# Altium PCB 1-quilter-input.PcbDoc (part 1 of 4)
Units mil, origin at the board's own origin, x right, y up, seen from the top; angles counter-clockwise.
Board outline 4130.55 x 4250 mil, 8 copper layers (TOP, L2_GND1, L3_IN1, L4_POWER_1, L5_POWER_2, L6_IN2, L7_GND2, BOTTOM), stack 61.99 mil thick; 591 components, 494 nets, 2245 pads, 0 vias.
Unrouted connection lines stored in the file: 1698.
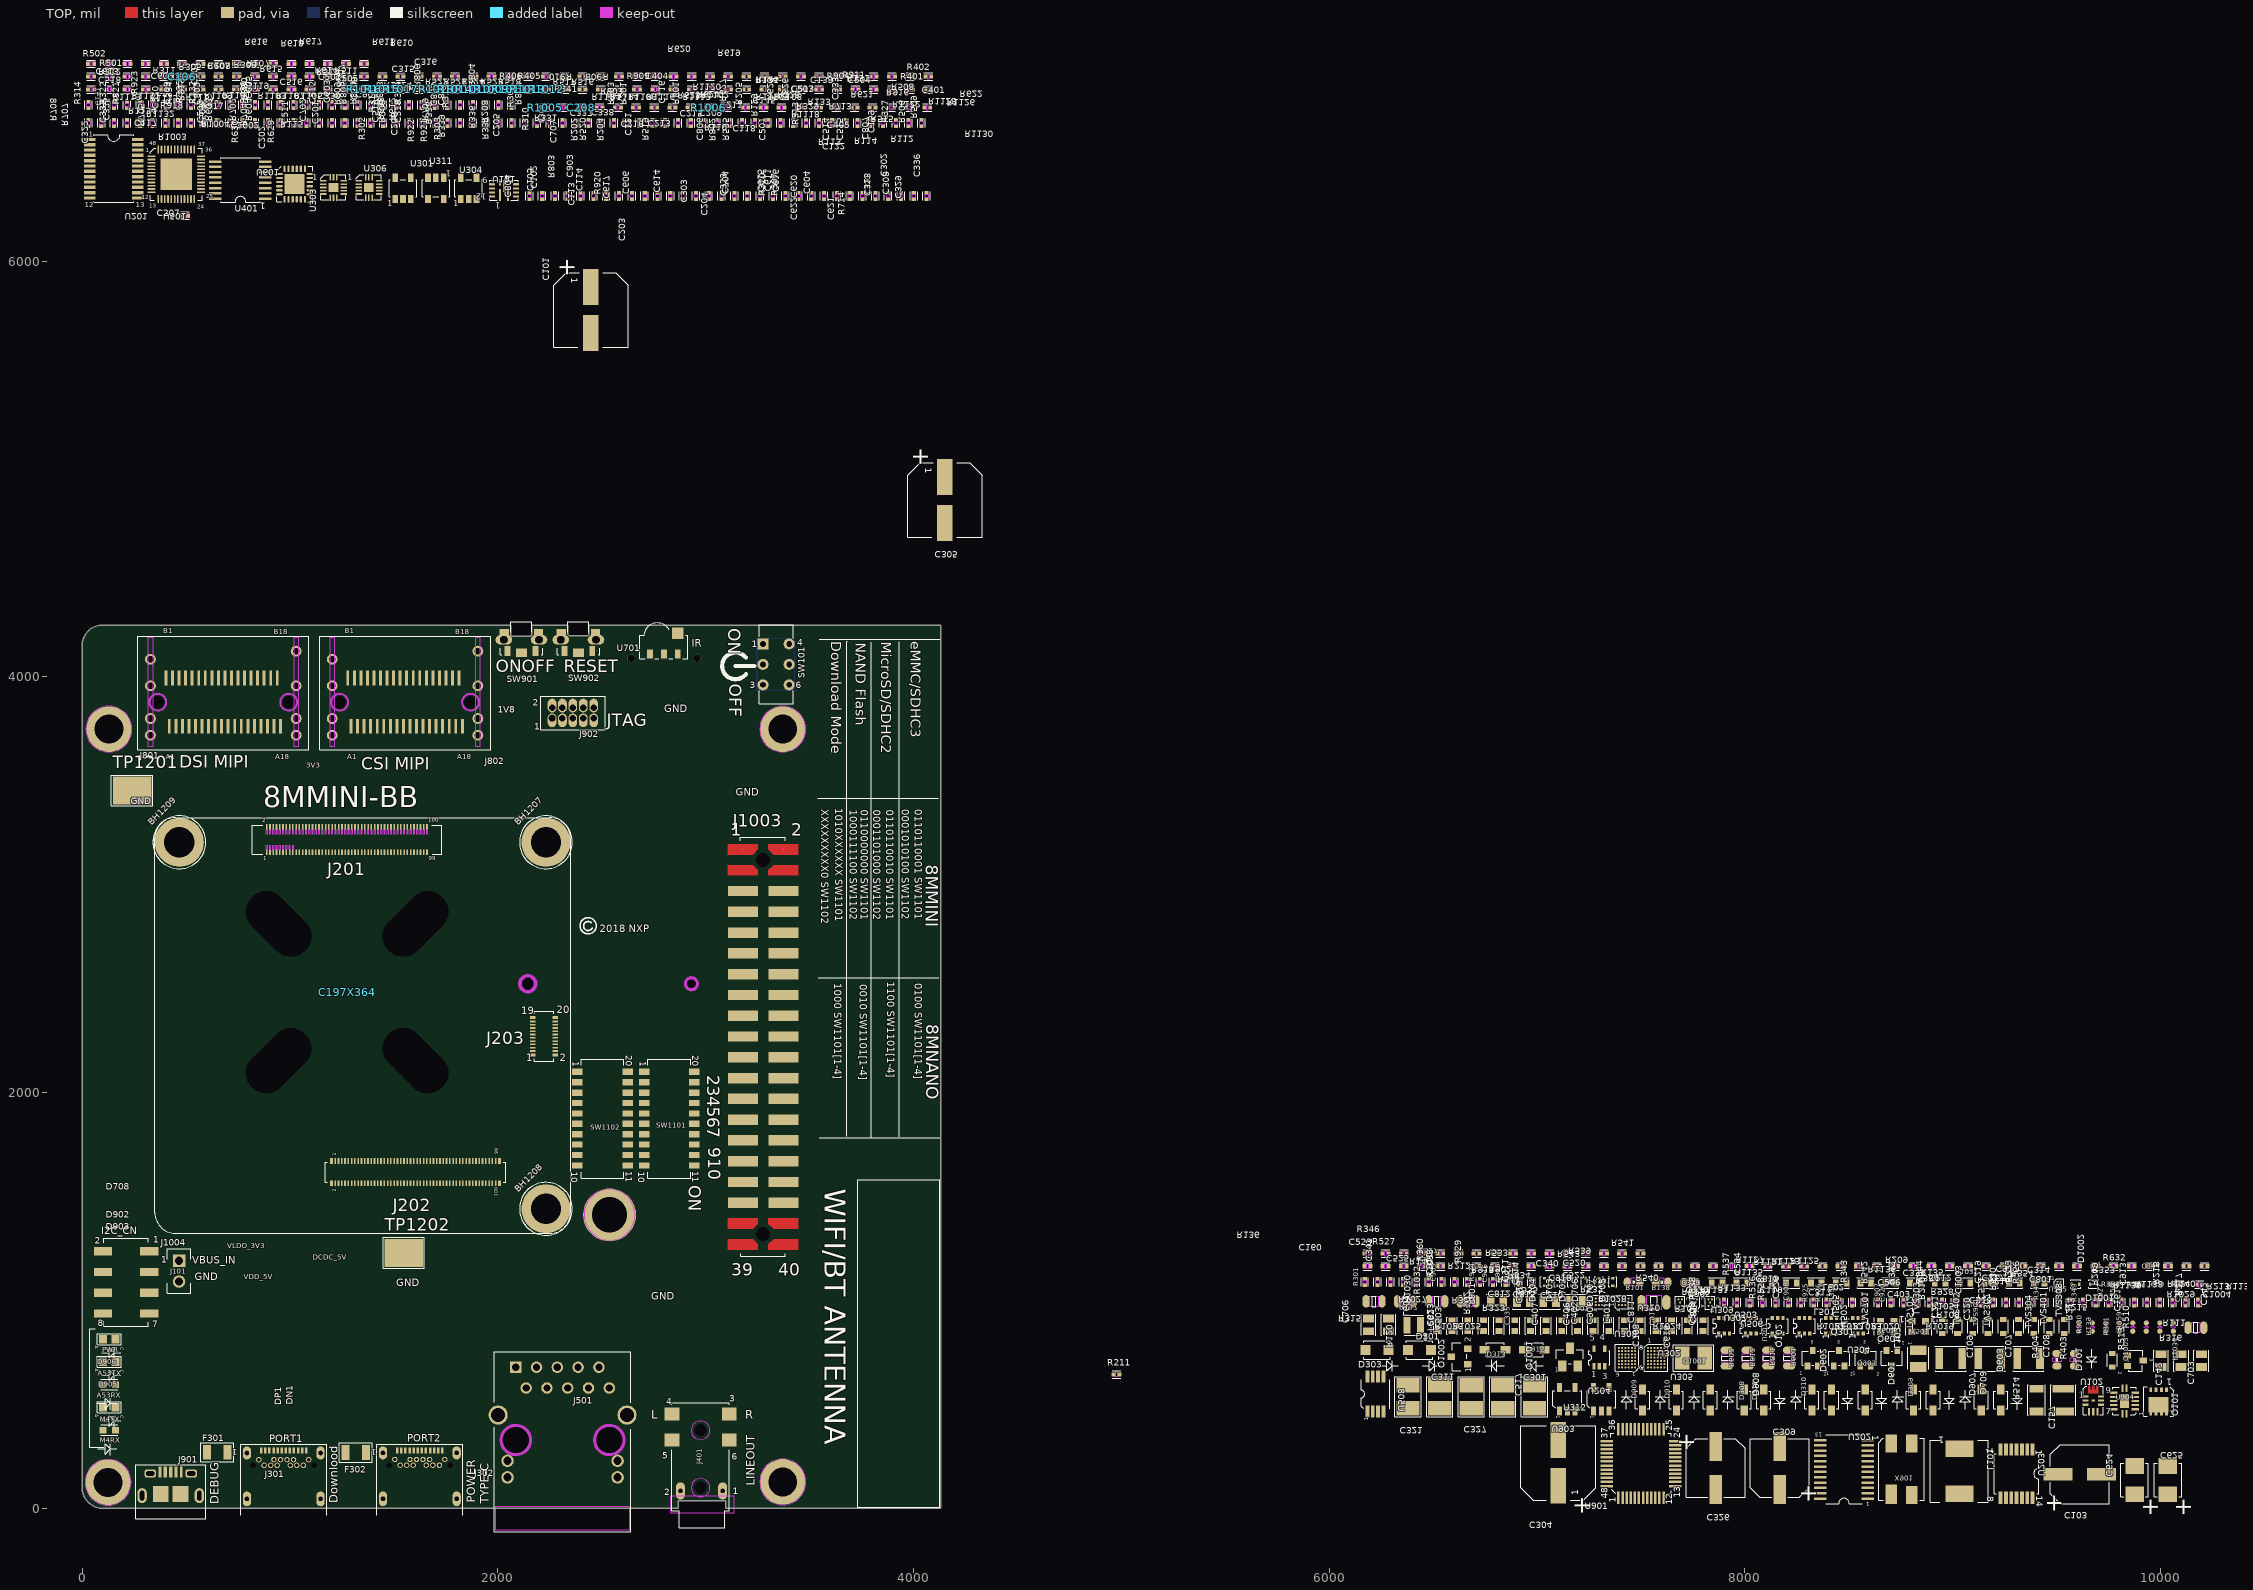
[diagram p0: TOP view]
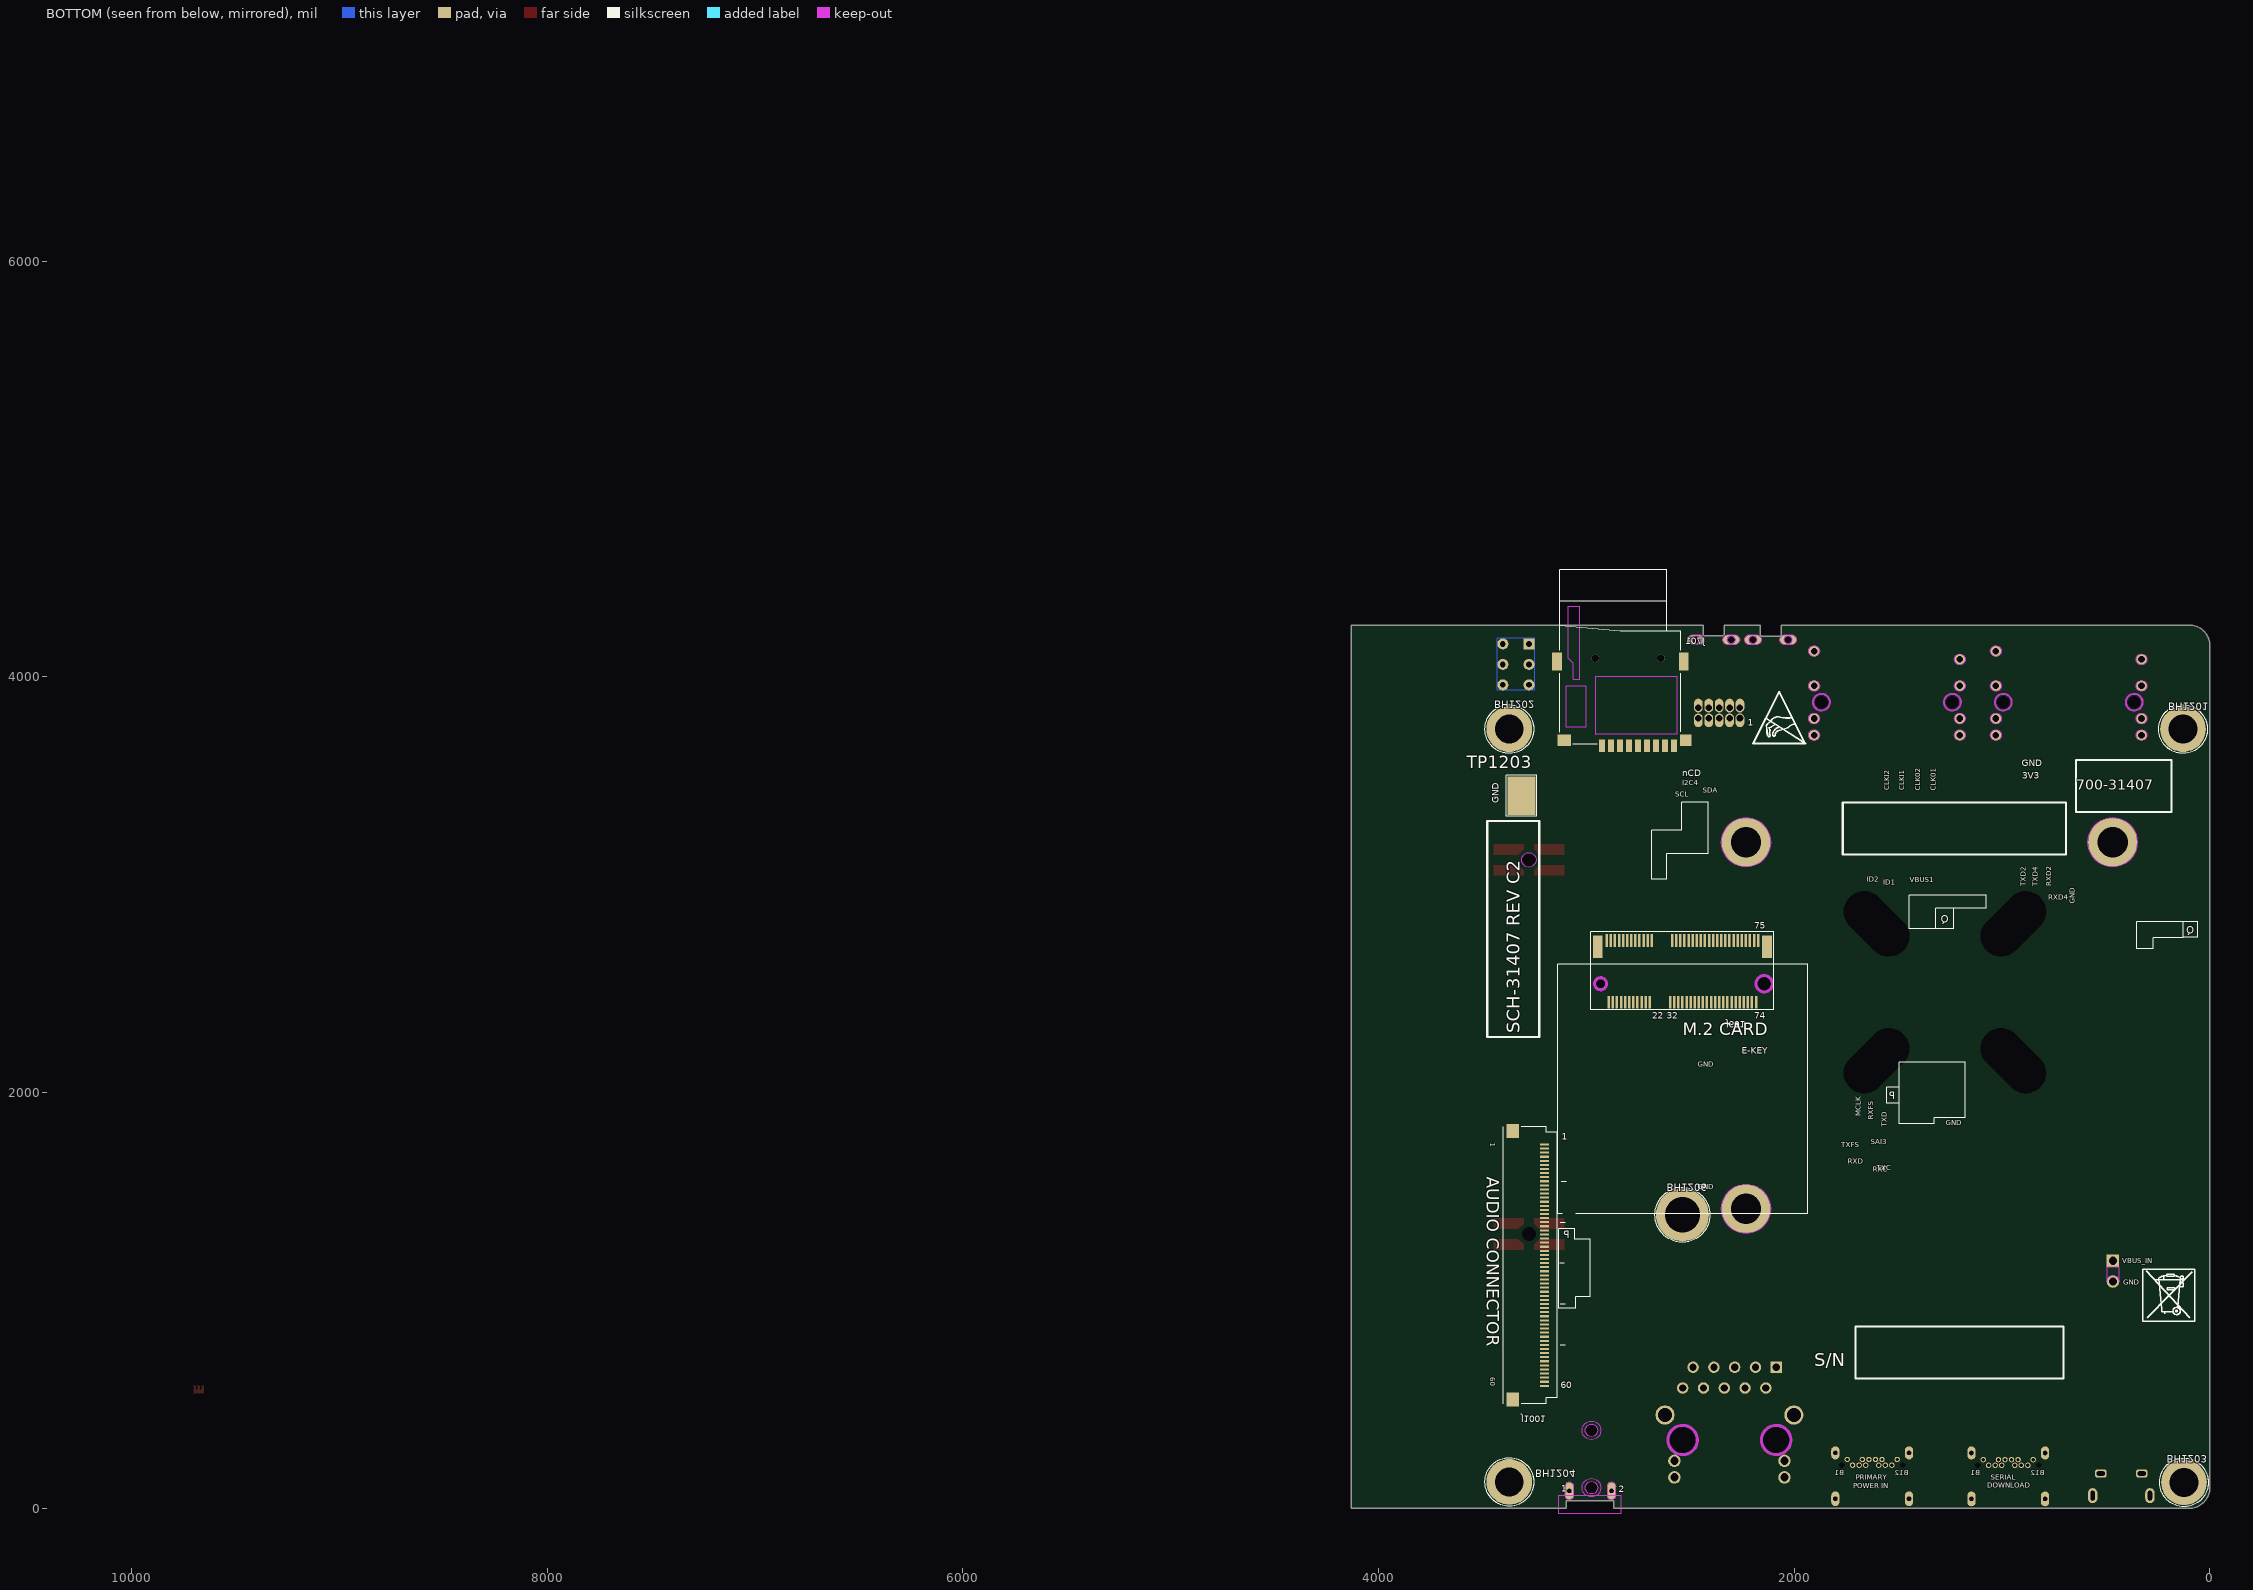
[diagram p1: BOTTOM view, seen from below]
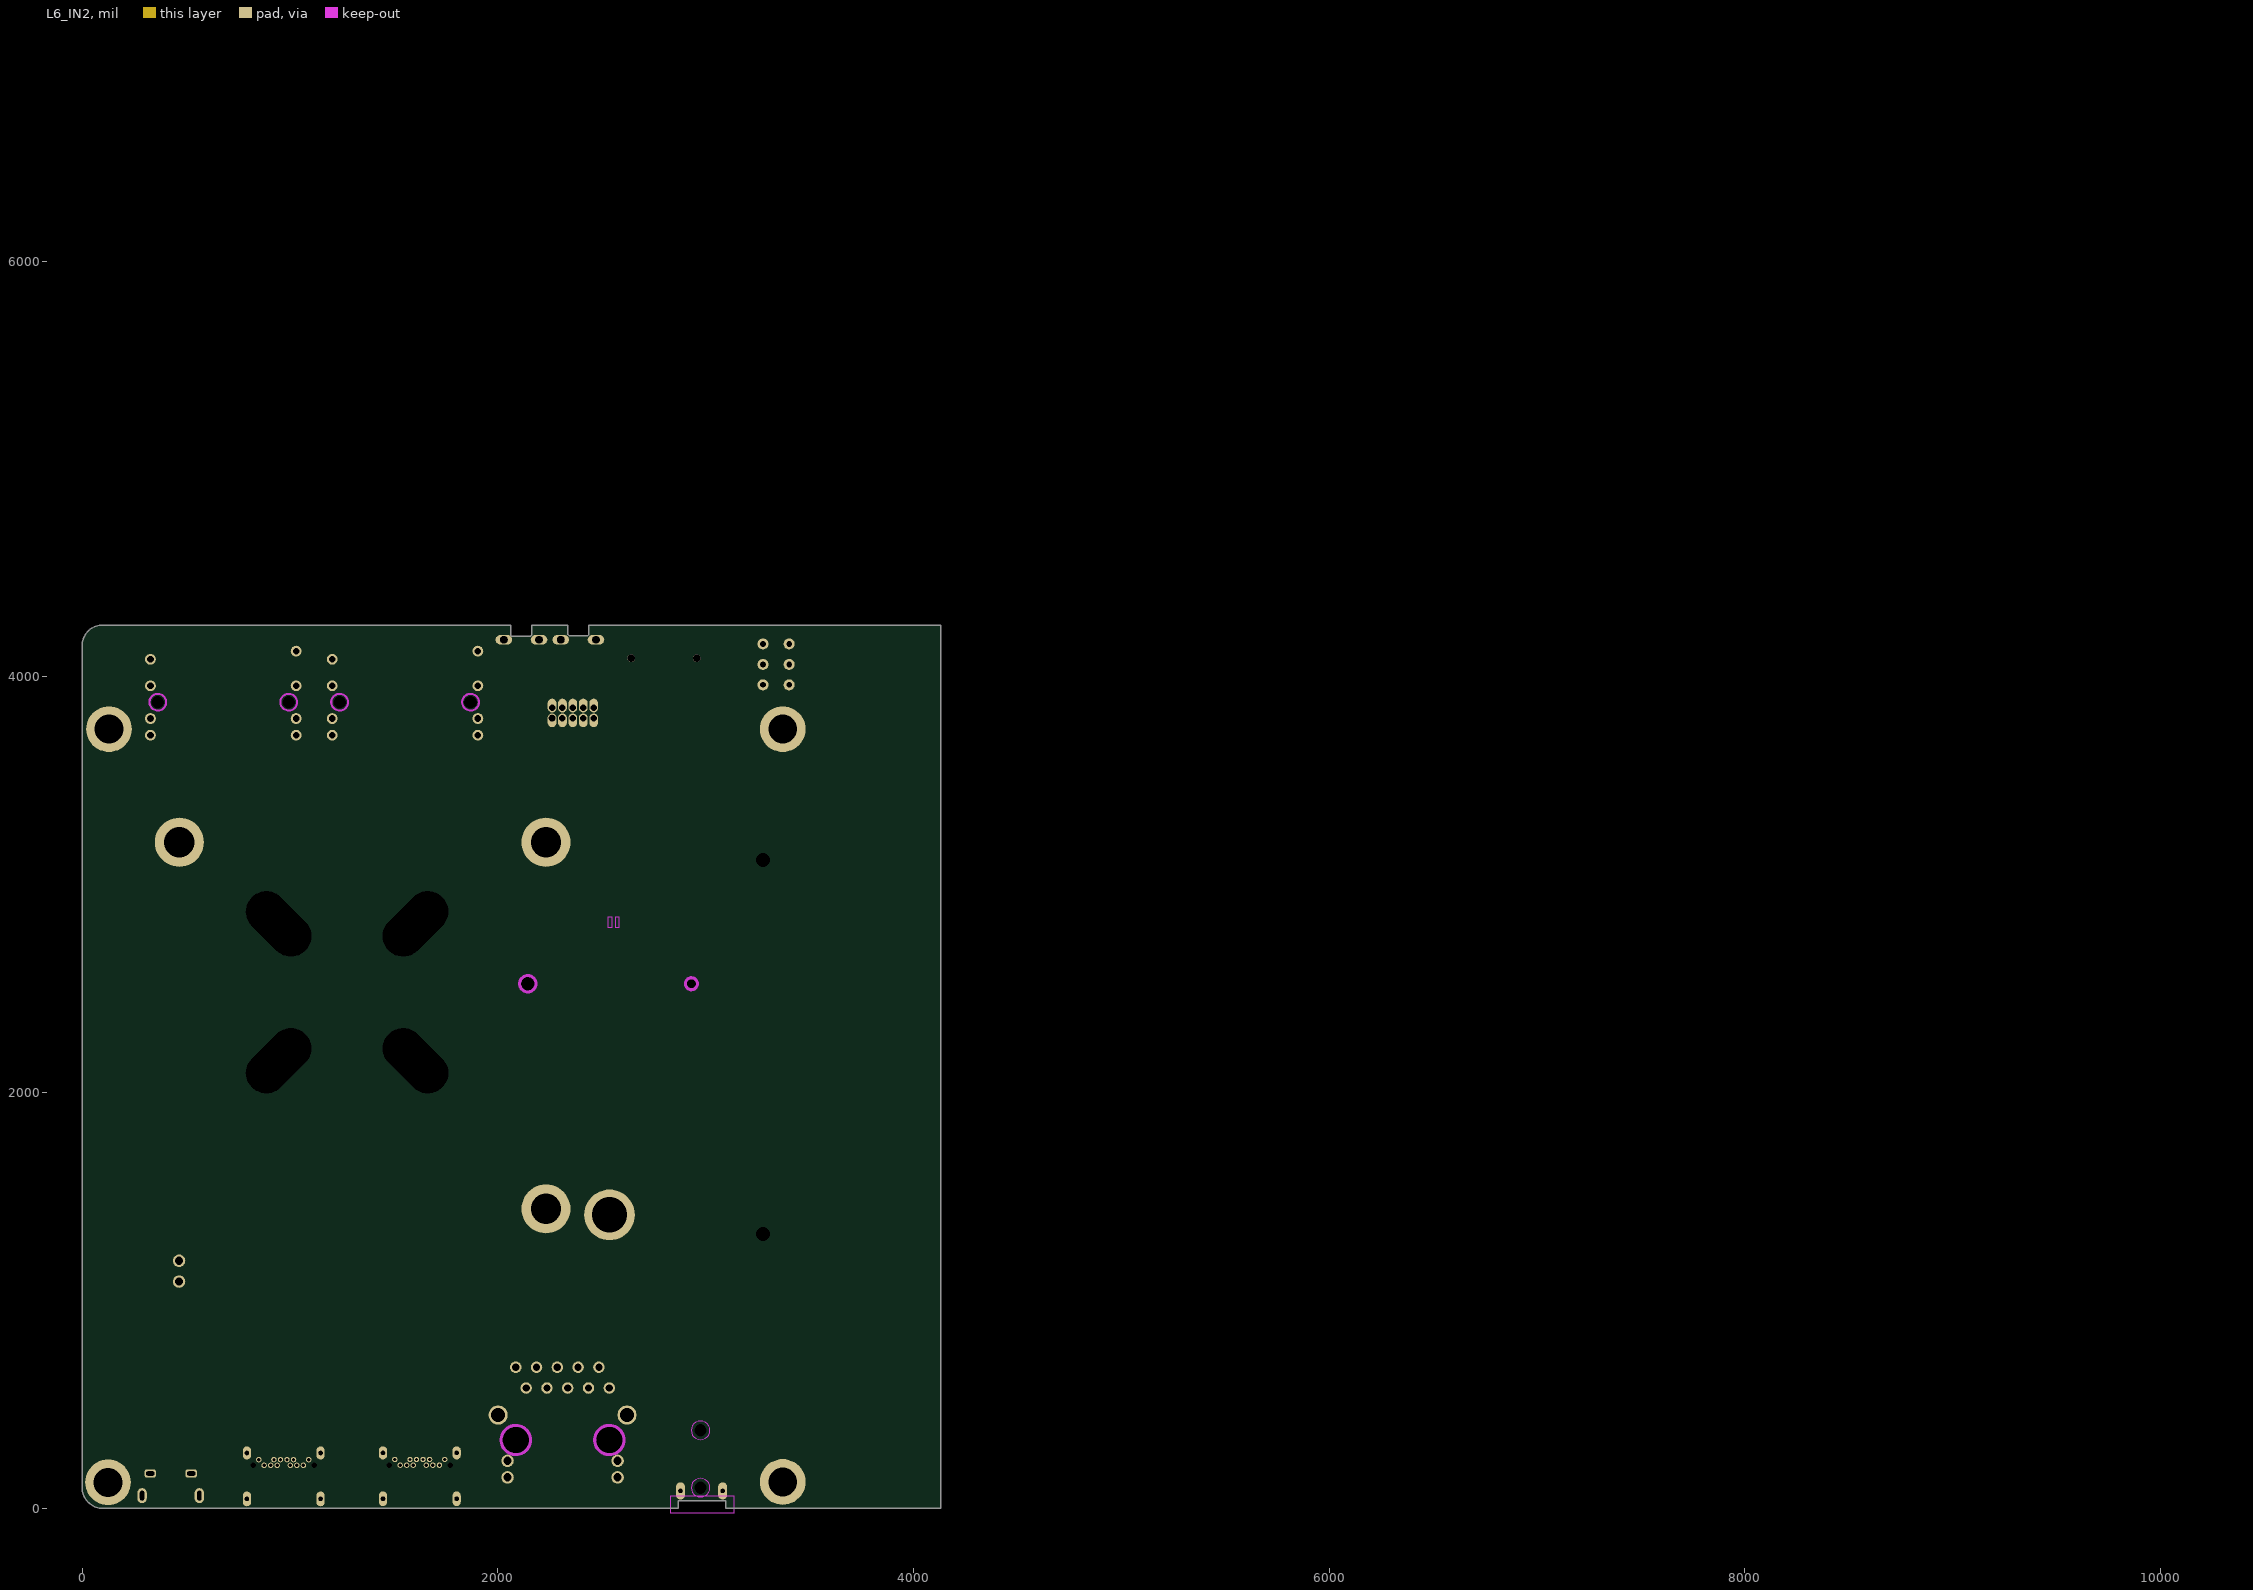
[diagram p2: L6_IN2]